# Altium PCB VOU_SOM_CV_V0.0.1.PcbDoc (part 4 of 5)
Units mm, origin at the board's own origin, x right, y up, seen from the top; angles counter-clockwise.
Board outline 75 x 105 mm, 9 copper layers (Top Layer, PWR1, INT1, INT2, INT3, INT4, INT5, PWR2, Bottom Layer), stack 1.317 mm thick; 497 components, 649 nets, 3023 pads, 1317 vias.
Unrouted connection lines stored in the file: 2057.
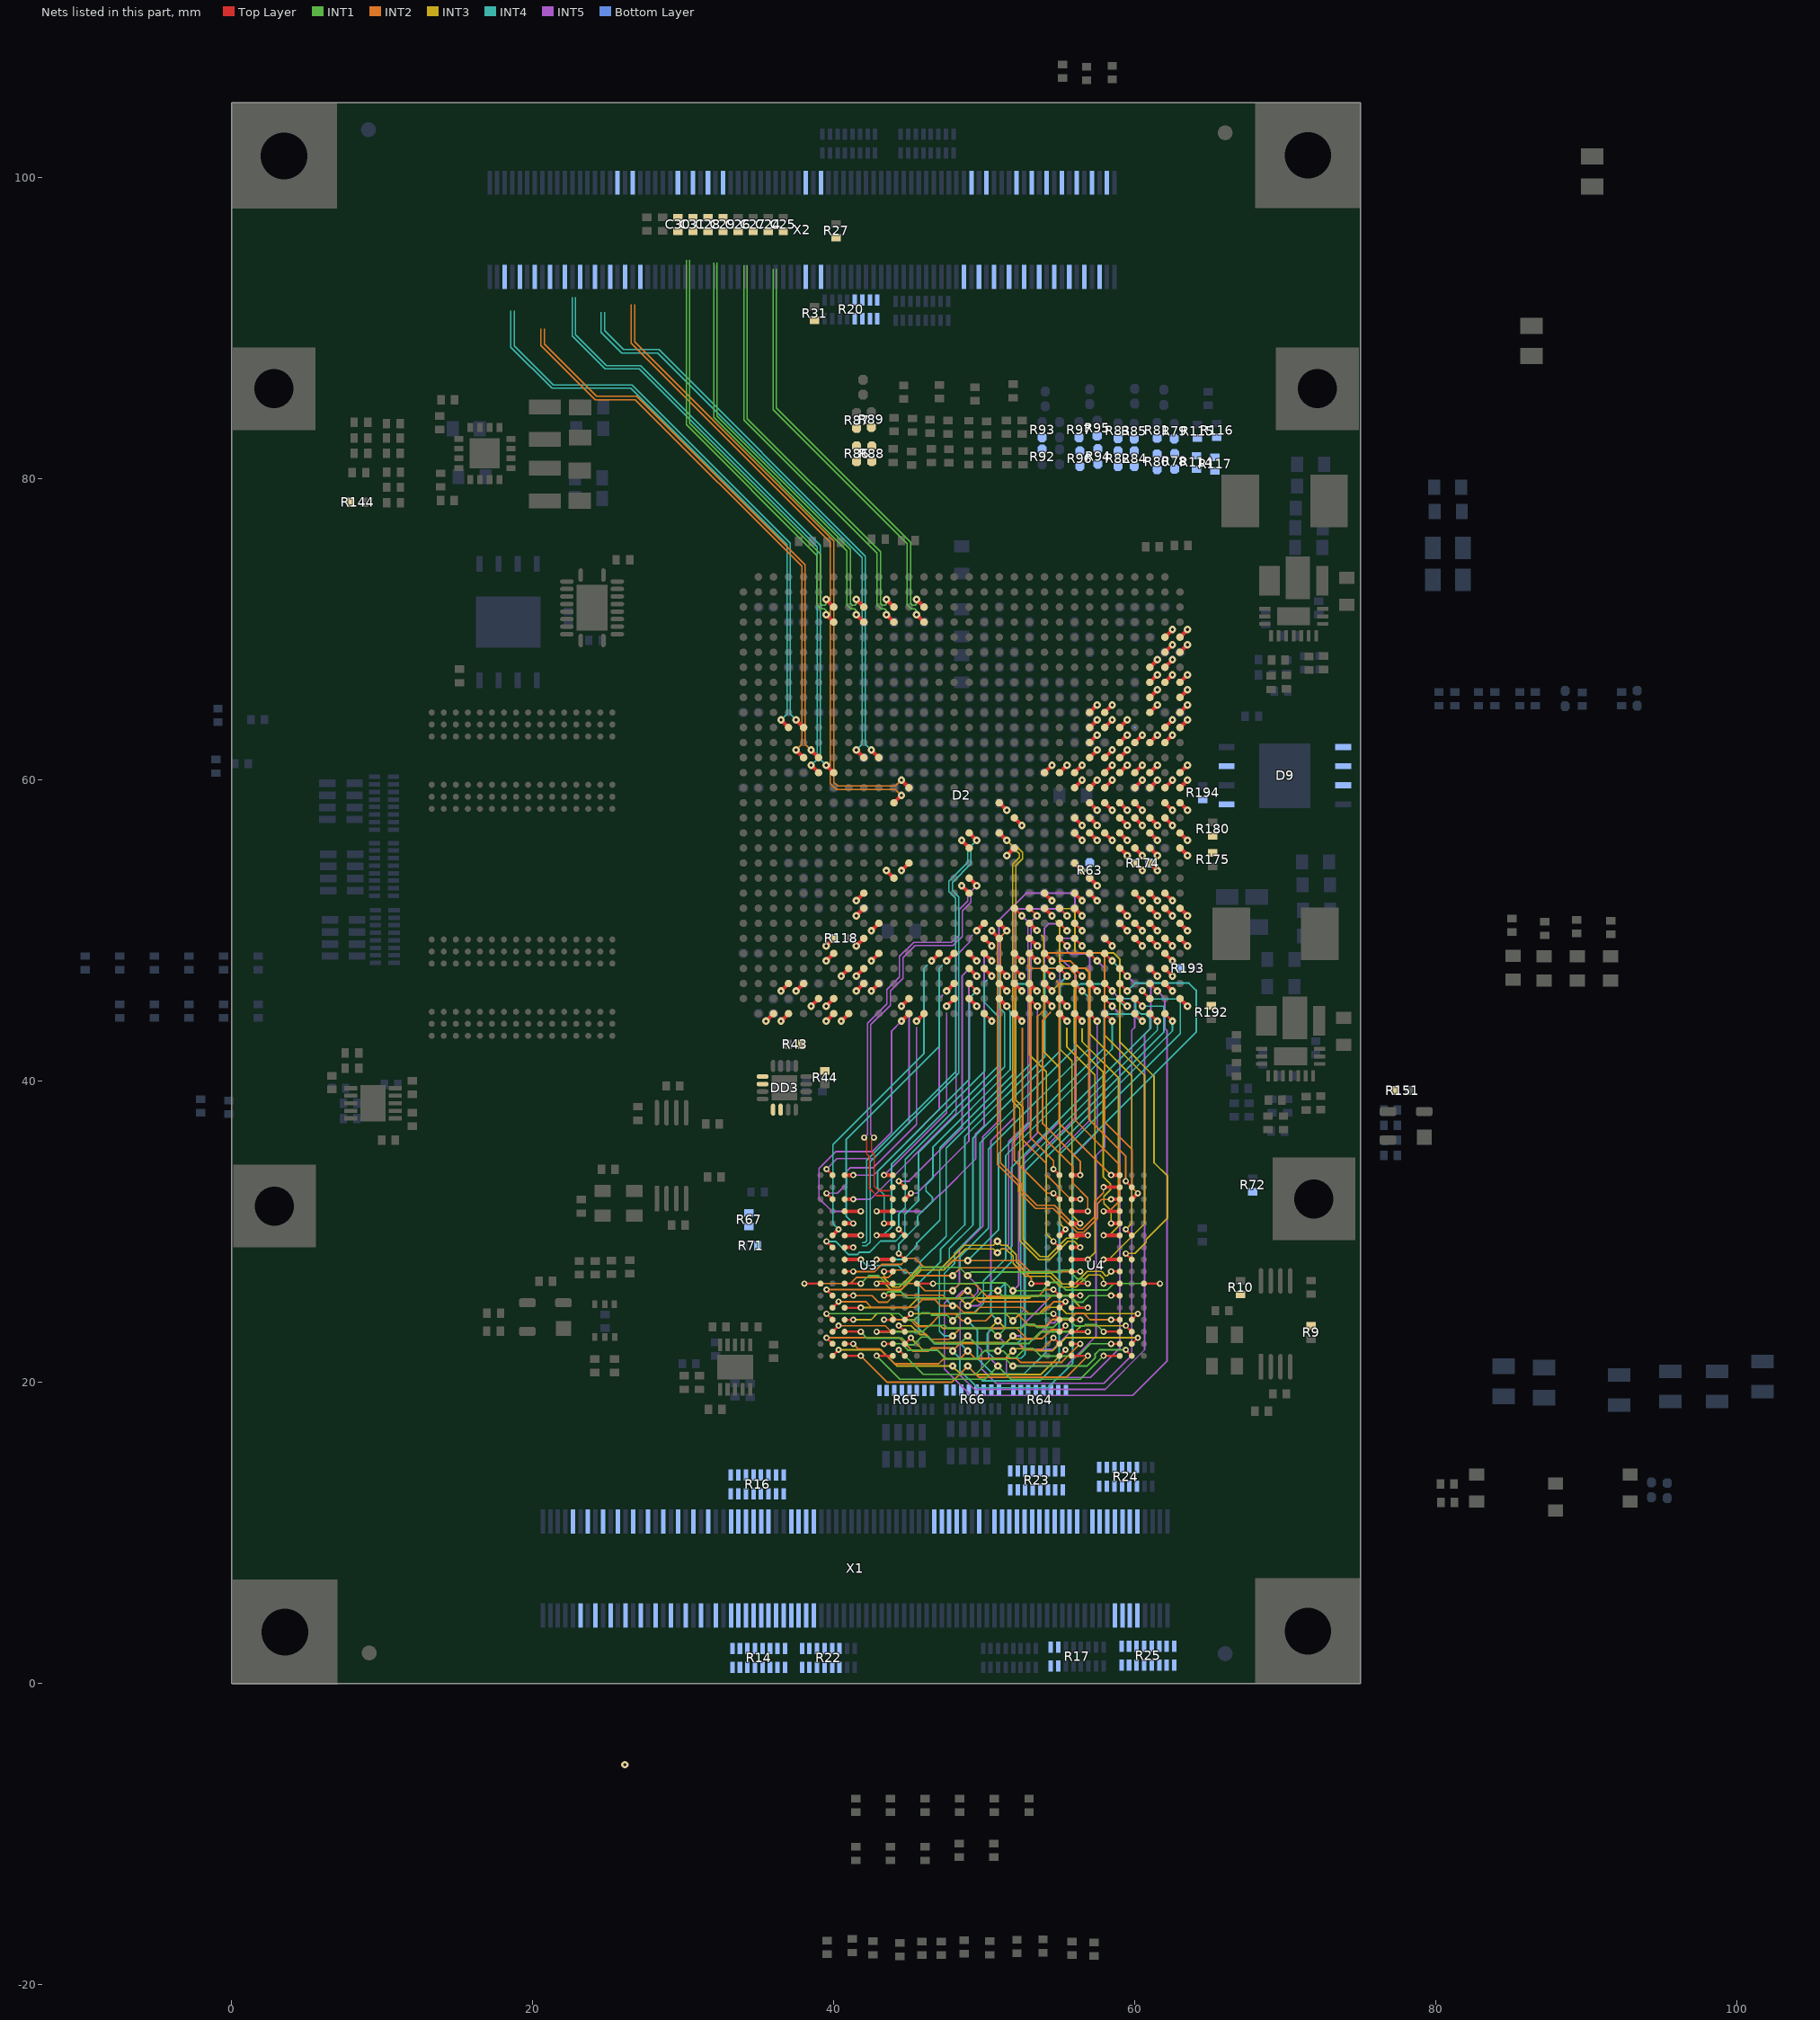
[diagram p9: the nets of this part, all layers, seen from the top]

## Via types
v1: diameter 0.5, hole 0.2, Top Layer to Bottom Layer, 953 vias
v2: diameter 0.42, hole 0.2, Top Layer to Bottom Layer, 364 vias

## Nets (pads, with @x,y where several pads share a name; then routed paths per layer and width w, separated by ;. In a path a pad name is that pad's centre, name@x,y a point inside that pad or via, vN(x,y) a via of type N, cw(c..) or ccw(c..) an arc to the next point about the centre after c; other vN are vias at no path point) (continued)
GXB_TXA2_N: C29.2 X2.105
GXB_TXA2_P: C28.2 X2.109
GXB_TXA3_N: C31.2 X2.113
GXB_TXA3_P: C30.2 X2.117
GXB_TXA_C0_N: C25.1 D2.V3 | length 27.4
  Top Layer w0.25: v1(45.5,72) D2.V3@46,71.5
  INT1 w0.08: 36.2,93.95 36.2,84.711 45.1,75.811 45.1,71.735 45.225,71.61 45.41,71.61 45.5,71.7 v1(45.5,72)
GXB_TXA_C0_P: C24.1 D2.V4 | length 27.7
  Top Layer w0.25: v1(45.5,71) D2.V4@46,70.5
  INT1 w0.08: 35.98,93.95 35.98,84.62 44.88,75.72 44.88,71.644 45.134,71.39 45.385,71.39 45.5,71.275 v1(45.5,71)
GXB_TXA_C1_N: C27.1 D2.Y3 | length 27.6
  Top Layer w0.25: v1(43.5,72) D2.Y3@44,71.5
  INT1 w0.08: 34.25,94.175 34.25,84.011 43.1,75.161 43.1,71.735 43.225,71.61 43.41,71.61 43.5,71.7 v1(43.5,72)
GXB_TXA_C1_P: C26.1 D2.Y4 | length 28
  Top Layer w0.25: v1(43.5,71) D2.Y4@44,70.5
  INT1 w0.08: 34.03,94.175 34.03,83.92 42.88,75.07 42.88,71.644 43.134,71.39 43.385,71.39 43.5,71.275 v1(43.5,71)
GXB_TXA_C2_N: C29.1 D2.AB3 | length 27.8
  Top Layer w0.25: v1(41.5,72) D2.AB3@42,71.5
  INT1 w0.08: 32.25,94.375 32.25,84.186 41.1,75.336 41.1,71.735 41.225,71.61 41.41,71.61 41.5,71.7 v1(41.5,72)
GXB_TXA_C2_P: C28.1 D2.AB4 | length 28.2
  Top Layer w0.25: v1(41.5,71) D2.AB4@42,70.5
  INT1 w0.08: 32.03,94.375 32.03,84.095 40.88,75.245 40.88,71.644 41.134,71.39 41.385,71.39 41.5,71.275 v1(41.5,71)
GXB_TXA_C3_N: C31.1 D2.AD3 | length 27.9
  Top Layer w0.25: v1(39.5,72) D2.AD3@40,71.5
  INT1 w0.08: 30.425,94.55 30.425,83.711 39.1,75.036 39.1,71.735 39.225,71.61 39.41,71.61 39.5,71.7 v1(39.5,72)
GXB_TXA_C3_P: C30.1 D2.AD4 | length 28.3
  Top Layer w0.25: v1(39.5,71) D2.AD4@40,70.5
  INT1 w0.08: 30.205,94.55 30.205,83.62 38.88,74.945 38.88,71.644 39.134,71.39 39.385,71.39 39.5,71.275 v1(39.5,71)
HPS_BSL0: D2.H20 R16.11 R63.2 | length 0.7
  Top Layer w0.25: D2.H20@56,54.5 v1(56.5,54)
HPS_BSL1: D2.A18 D9.1 R175.2 R180.1 | length 0.7
  Top Layer w0.25: D2.A18@63,56.5 v1(63.5,56)
HPS_BSL2: D2.D20 R174.2 | length 0.7
  Top Layer w0.25: D2.D20@60,54.5 v1(60.5,54)
HPS_CAN0_RX: D2.B22 R22.11 | length 0.7
  Top Layer w0.25: D2.B22@62,52.5 v1(62.5,52)
HPS_CAN0_RX_R: R22.6 X1.71
HPS_CAN0_TX: D2.G22 R22.12 | length 0.7
  Top Layer w0.25: D2.G22@57,52.5 v1(57.5,52)
HPS_CAN0_TX_R: R22.5 X1.73
HPS_CAN1_RX: D2.A24 R22.13 | length 0.7
  Top Layer w0.25: D2.A24@63,50.5 v1(63.5,50)
HPS_CAN1_RX_R: R22.4 X1.72
HPS_CAN1_TX: D2.G21 R22.14 | length 0.7
  Top Layer w0.25: D2.G21@57,53.5 v1(57.5,53)
HPS_CAN1_TX_R: R22.3 X1.74
HPS_CLK_25_1: D2.D25 R9.2 | length 0.7
  Top Layer w0.25: D2.D25@60,49.5 v1(60.5,49)
HPS_CLK_25_2: D2.F25 R10.2 | length 0.7
  Top Layer w0.25: D2.F25@58,49.5 v1(58.5,49)
HPS_DDR_A0: D2.F26 R64.8 U3.N3 U4.N3 | length 48.2
  Top Layer w0.15: U3.N3@40.725,24.175 v2(41.3,24.175) ; U4.N3@55.8,24.175 v2(56.375,24.175) ; D2.F26@58,48.5 v1(58.5,48)
  INT3 w0.11: v2(41.3,24.175) 42.475,24.175 42.875,24.575 43.775,24.575 44.175,24.175 45.275,24.175 45.675,23.775 47.075,23.775 47.25,23.6 50.4,23.6 v1(50.9,24.1) 51.35,23.65 52.525,23.65 52.725,23.85 53.325,23.85 53.45,23.725 54.075,23.725 54.525,24.175 v2(56.375,24.175)
  INT4 w0.11: v1(50.9,24.1) 50.45,24.55 50.45,26.65 51.8,28 51.8,34.275 61,43.475 61,44.175 60.7,44.475 60.4,44.475 60.05,44.825 60.05,45.225 59.775,45.5 59.3,45.5 59,45.8 59,47.5 v1(58.5,48)
HPS_DDR_A1: D2.G30 R64.7 U3.P7 U4.P7 | length 46.5
  Top Layer w0.15: v2(42.85,23.375) U3.P7@43.925,23.375 ; D2.G30@57,44.5 v1(57.5,44) ; v2(57.925,23.375) U4.P7@59,23.375
  INT1 w0.11: v2(42.85,23.375) 45.925,23.375 46.35,23.8 47.375,23.8 47.575,23.6 50.4,23.6 v1(50.9,23.1) 51.425,23.625 52.475,23.625 52.7,23.85 53.325,23.85 53.5,23.675 54.6,23.675 55.2,24.275 55.55,24.275 56.075,23.75 56.625,23.75 56.725,23.85 57.45,23.85 v2(57.925,23.375)
  INT5 w0.11: v1(50.9,23.1) 51.375,22.625 52.225,22.625 52.65,22.2 54.55,22.2 55.85,23.5 55.85,35 57.5,36.65 v1(57.5,44)
HPS_DDR_A2: D2.F28 R64.6 U3.P3 U4.P3 | length 58.5
  Top Layer w0.15: U3.P3@40.725,23.375 v2(41.8,23.375) ; U4.P3@55.8,23.375 v2(56.875,23.375) ; D2.F28@58,46.5 v1(58.5,46)
  INT1 w0.11: v2(41.8,23.375) 42.225,22.95 44.55,22.95 45,22.5 45.3,22.5 45.825,23.025 46.3,23.025 46.725,22.6 48.4,22.6 v1(48.9,23.1) 49.4,22.6 52.975,22.6 53.75,23.375 v2(56.875,23.375)
  INT5 w0.11: v1(48.9,23.1) 49.825,22.175 49.825,20.9 50.775,19.95 57.95,19.95 59.8,21.8 59.8,43.4 60,43.6 60,45.225 59.725,45.5 59,45.5 v1(58.5,46)
HPS_DDR_A3: D2.F30 R64.5 U3.N2 U4.N2 | length 42.5
  Top Layer w0.15: v2(39.525,24.575) U3.N2@39.925,24.175 ; v2(54.6,24.575) U4.N2@55,24.175 ; D2.F30@58,44.5 v1(58.5,44)
  INT1 w0.11: v2(39.525,24.575) 44.35,24.575 44.775,24.15 45.35,24.15 45.825,24.625 46.35,24.625 46.5,24.475 47.525,24.475 v1(47.9,24.1) 48.375,24.575 v2(54.6,24.575)
  INT4 w0.11: v1(47.9,24.1) 48.4,24.6 49.3,24.6 49.95,25.25 49.95,26.75 51.425,28.225 51.425,35.075 58.5,42.15 v1(58.5,44)
HPS_DDR_A4: D2.J25 R64.4 U3.P8 U4.P8 | length 48.5
  Top Layer w0.15: v2(44.325,23.775) U3.P8@44.725,23.375 ; D2.J25@55,49.5 v1(55.5,49) ; v2(59.4,23.775) U4.P8@59.8,23.375
  INT3 w0.11: v2(44.325,23.775) 45.15,23.775 45.725,23.2 46.125,23.2 46.675,22.65 51.45,22.65 v1(51.9,23.1) 52.1,22.9 53.35,22.9 53.85,23.4 56.075,23.4 56.45,23.775 v2(59.4,23.775)
  INT5 w0.11: v1(51.9,23.1) 52.425,23.1 52.65,22.875 53.3,22.875 54.4,23.975 54.675,23.975 55,24.3 55,35.4 57,37.4 57,48.2 56.725,48.475 55.7,48.475 55.5,48.675 v1(55.5,49)
HPS_DDR_A5: D2.J27 R64.3 U3.P2 U4.P2 | length 46.3
  Top Layer w0.15: U3.P2@39.925,23.375 v2(40.325,23.775) ; U4.P2@55,23.375 v2(55.4,23.775) ; D2.J27@55,47.5 v1(55.5,47)
  INT2 w0.11: v2(40.325,23.775) 43.425,23.775 43.8,23.4 45.925,23.4 46.45,22.875 47.675,22.875 v1(47.9,23.1) 48.4,23.6 52.15,23.6 52.825,22.925 53.85,22.925 54.45,23.525 55.15,23.525 v2(55.4,23.775)
  INT4 w0.11: v1(47.9,23.1) 47.35,23.1 47.025,23.425 47.025,27.45 47.675,28.1 47.675,28.9 49.25,30.475 49.25,36.25 55.05,42.05 55.05,46.55 v1(55.5,47)
HPS_DDR_A6: D2.F29 R64.2 U3.R8 U4.R8 | length 51.3
  Top Layer w0.15: U3.R8@44.725,22.575 v2(45.125,22.975) ; D2.F29@58,45.5 v1(58.5,45) ; U4.R8@59.8,22.575 v2(60.2,22.975)
  INT3 w0.11: v2(45.125,22.975) 45.925,22.175 46.9,22.175 47.5,21.575 51.375,21.575 v1(51.9,22.1) 52.05,22.25 53.225,22.25 53.375,22.1 54.525,22.1 55.4,22.975 v2(60.2,22.975)
  INT5 w0.11: v1(51.9,22.1) 51.475,21.675 51.475,20.525 51.663,20.338 57.062,20.338 59,22.275 59,44.5 v1(58.5,45)
HPS_DDR_A7: D2.E28 R64.1 U3.R2 U4.R2 | length 61.5
  Top Layer w0.15: v2(39.525,22.975) U3.R2@39.925,22.575 ; v2(54.6,22.975) U4.R2@55,22.575 ; D2.E28@59,46.5 v1(59.5,46)
  INT2 w0.11: v2(39.525,22.975) 44.35,22.975 45.25,22.075 46.275,22.075 46.5,22.3 47.7,22.3 v1(47.9,22.1) 48.375,22.575 52.375,22.575 52.775,22.175 53.8,22.175 v2(54.6,22.975)
  INT4 w0.11: v1(47.9,22.1) 48.375,21.625 48.375,20.825 49.55,19.65 54.225,19.65 55.875,21.3 55.875,35.2 56,35.2 64.075,43.275 64.075,46.05 63.6,46.525 60.025,46.525 v1(59.5,46)
HPS_DDR_A8: D2.G26 R65.7 U3.T8 U4.T8 | length 50.5
  Top Layer w0.15: v2(44.325,22.175) U3.T8@44.725,21.775 ; D2.G26@57,48.5 v1(57.5,48) ; v2(59.4,22.175) U4.T8@59.8,21.775
  INT1 w0.11: v2(44.325,22.175) 45.95,20.55 49.425,20.55 50.425,21.55 51.45,21.55 v1(51.9,21.1) 56.825,21.1 57.375,21.65 57.375,21.9 57.65,22.175 v2(59.4,22.175)
  INT5 w0.11: v1(51.9,21.1) 55.45,21.1 57.425,23.075 57.425,35.075 58,35.65 58,47.5 v1(57.5,48)
HPS_DDR_A9: D2.H27 R65.8 U3.R3 U4.R3 | length 52.5
  Top Layer w0.15: U3.R3@40.725,22.575 v2(41.3,22.575) ; U4.R3@55.8,22.575 v2(56.375,22.575) ; D2.H27@56,47.5 v1(56.5,47)
  INT2 w0.11: v2(41.3,22.575) 41.625,22.25 43.025,22.25 44.025,21.25 46.975,21.25 47.3,21.575 48.375,21.575 v1(48.9,22.1) 49.4,21.6 52.15,21.6 52.4,21.35 55.15,21.35 v2(56.375,22.575)
  INT4 w0.11: v1(48.9,22.1) 48.4,22.6 46.65,22.6 45.625,23.625 45.625,26.575 47.1,28.05 47.1,28.875 48.7,30.475 48.7,36.325 54.025,41.65 54.025,47.275 54.275,47.525 55.975,47.525 v1(56.5,47)
HPS_DDR_A10: D2.D29 R65.6 U3.L7 U4.L7 | length 55.2
  Top Layer w0.15: v2(43.35,25.775) U3.L7@43.925,25.775 ; v2(58.425,25.775) U4.L7@59,25.775 ; D2.D29@60,45.5 v1(60.5,45)
  INT1 w0.11: v2(43.35,25.775) 43.6,26.025 44.475,26.025 44.875,25.625 49.425,25.625 49.9,26.1 v1(50.9,26.1) 50.9,26.075 51.225,25.75 55.725,25.75 56.125,25.35 56.55,25.35 56.975,25.775 v2(58.425,25.775)
  INT4 w0.11: v1(50.9,26.1) 51.4,26.6 51.4,23.775 51.2,23.575 50.525,23.575 50.2,23.25 50.2,22.05 50.625,21.625 52.45,21.625 52.7,21.875 52.7,34.05 61.925,43.275 61.925,45 v1(60.5,45)
HPS_DDR_A11: D2.C30 R65.5 U3.R7 U4.R7 | length 45.3
  Top Layer w0.15: v2(43.35,22.575) U3.R7@43.925,22.575 ; v2(58.425,22.575) U4.R7@59,22.575 ; D2.C30@61,44.5 v1(61.5,44)
  INT1 w0.11: v2(43.35,22.575) 44.5,22.575 44.925,22.15 46.875,22.15 47.45,21.575 49.5,21.575 50.05,22.125 50.9,22.125 v1(50.9,22.1) 51.25,22.1 51.7,21.65 52.1,21.65 52.7,22.25 53.275,22.25 53.775,21.75 56.225,21.75 57.05,22.575 v2(58.425,22.575)
  INT4 w0.11: v1(50.9,22.1) 51.4,22.6 52.2,22.6 52.425,22.825 52.425,34.325 61.5,43.4 v1(61.5,44)
HPS_DDR_A12: D2.B30 R65.4 U3.N7 U4.N7 | length 52.5
  Top Layer w0.15: v2(43.35,24.175) U3.N7@43.925,24.175 ; v2(58.425,24.175) U4.N7@59,24.175 ; D2.B30@62,44.5 v1(62.5,44)
  INT2 w0.11: v2(43.35,24.175) 45.075,24.175 45.525,23.725 46.3,23.725 47.125,24.55 48.1,24.55 48.55,24.1 v1(48.9,24.1) 50.1,24.1 50.575,24.575 52.2,24.575 53,23.775 54.1,23.775 54.525,24.2 55.7,24.2 56.1,24.6 56.6,24.6 57.025,24.175 v2(58.425,24.175)
  INT4 w0.11: v1(48.9,24.1) 49.55,23.45 49.55,21.6 50.575,20.575 52.65,20.575 54.1,22.025 54.1,34.95 62.5,43.35 v1(62.5,44)
HPS_DDR_A13: D2.C29 R65.3 U3.T3 U4.T3 | length 57.1
  Top Layer w0.15: U3.T3@40.725,21.775 v2(41.8,21.775) ; U4.T3@55.8,21.775 v2(56.875,21.775) ; v1(60.5,46.025) 60.5,46 D2.C29@61,45.5
  INT2 w0.11: v2(41.8,21.775) 43.55,20.025 47.825,20.025 v1(48.9,21.1) 49.65,20.35 55.45,20.35 v2(56.875,21.775)
  INT4 w0.11: v1(48.9,21.1) 49.875,20.125 53.7,20.125 54.975,21.4 54.975,35.125 63.025,43.175 63.025,45.225 62.775,45.475 61.05,45.475 v1(60.5,46.025)
  other v1: 26.125,-5.375
HPS_DDR_A14: D2.H25 R65.2 U3.T7 U4.T7 | length 54.1
  Top Layer w0.15: v2(42.85,21.775) U3.T7@43.925,21.775 ; D2.H25@56,49.5 v1(56.5,49) ; v2(57.925,21.775) U4.T7@59,21.775
  INT1 w0.11: v2(42.85,21.775) 44.4,20.225 50.025,20.225 v1(50.9,21.1) 51.775,20.225 56.375,20.225 v2(57.925,21.775)
  INT5 w0.11: v1(50.9,21.1) 50.275,21.725 50.275,23.4 50.5,23.625 52.375,23.625 54.1,25.35 54.1,35.65 56.025,37.575 56.025,47.225 55.025,48.225 55.025,49.35 55.175,49.5 56,49.5 v1(56.5,49)
HPS_DDR_BA0: D2.E29 R65.1 U3.M2 U4.M2 | length 47.7
  Top Layer w0.15: U3.M2@39.925,24.975 v2(40.325,25.375) ; U4.M2@55,24.975 v2(55.4,25.375) ; D2.E29@59,45.5 v1(59.5,45)
  INT2 w0.11: v2(40.325,25.375) 42.125,25.375 42.5,25 45.4,25 45.925,25.525 46.7,25.525 47.125,25.1 v1(47.9,25.1) 48.2,25.1 48.65,24.65 49.375,24.65 49.725,25 52.525,25 52.95,24.575 53.825,24.575 54.625,25.375 v2(55.4,25.375)
  INT4 w0.11: v1(47.9,25.1) 47.35,25.65 47.35,27.25 48.025,27.925 48.025,28.6 49.725,30.3 49.725,35.925 56,42.2 56,46.1 56.375,46.475 57.85,46.475 58,46.325 58,45.725 58.25,45.475 58.85,45.475 59.325,45 v1(59.5,45)
HPS_DDR_BA1: D2.J24 R66.8 U3.N8 U4.N8 | length 47.6
  Top Layer w0.15: U3.N8@44.725,24.175 v2(45.125,24.575) ; D2.J24@55,50.5 v1(55.5,50) ; U4.N8@59.8,24.175 v2(60.2,24.575)
  INT3 w0.11: v2(45.125,24.575) 51.425,24.575 v1(51.9,24.1) 52.35,24.55 53.625,24.55 54.075,25 55.05,25 55.475,24.575 v2(60.2,24.575)
  INT5 w0.11: v1(51.9,24.1) 52.65,24.85 52.65,34.975 55.025,37.35 55.025,47.225 54.75,47.5 54.275,47.5 54,47.775 54,50.175 54.3,50.475 55.025,50.475 v1(55.5,50)
HPS_DDR_BA2: D2.J23 R66.7 U3.M3 U4.M3 | length 50.6
  Top Layer w0.15: U3.M3@40.725,24.975 v2(41.8,24.975) ; D2.J23@55,51.5 v1(55.5,51) ; U4.M3@55.8,24.975 v2(56.875,24.975)
  INT3 w0.11: v2(41.8,24.975) 44.95,24.975 45.55,25.575 48.425,25.575 v1(48.9,25.1) 49.4,25.6 53,25.6 53.175,25.775 55.625,25.775 56.425,24.975 v2(56.875,24.975)
  INT5 w0.11: v1(48.9,25.1) 49.6,25.1 50.45,25.95 50.45,36.075 51.975,37.6 51.975,51.15 52.275,51.45 55.05,51.45 v1(55.5,51)
HPS_DDR_CAS#: D2.E27 R66.4 U3.K3 U4.K3 | length 67.1
  Top Layer w0.15: U3.K3@40.725,26.575 v2(41.8,26.575) ; U4.K3@55.8,26.575 v2(56.875,26.575) ; D2.E27@59,47.5 v1(59.5,47)
  INT1 w0.11: v2(41.8,26.575) 42.325,27.1 42.975,27.1 43.55,26.525 44.725,26.525 45.85,27.65 48.35,27.65 v1(48.9,27.1) 49.15,27.35 55.05,27.35 55.175,27.475 55.575,27.475 56.15,26.9 56.55,26.9 v2(56.875,26.575)
  INT5 w0.11: v1(48.9,27.1) 49.575,26.425 49.575,26.025 49.2,25.65 48.725,25.65 48.4,25.325 48.4,20.5 49.35,19.55 58.025,19.55 60.65,22.175 60.65,43.125 61.075,43.55 61.075,46.275 60.85,46.5 60,46.5 v1(59.5,47)
HPS_DDR_CK_H_N: D2.L23 R67.1 U3.K7 U4.K7 | length 45.5
  Top Layer w0.15: v2(42.85,26.575) U3.K7@43.925,26.575 ; D2.L23@53,51.5 v1(53.5,51) ; v2(57.925,26.575) U4.K7@59,26.575
  INT3 w0.08: v2(42.85,26.575) 43,26.725 43.225,26.725 43.827,26.123 44.459,26.123 45.811,27.475 47.336,27.475 48.751,28.89 50.61,28.89 v1(50.875,28.625) 51.14,28.89 51.4,28.89 51.905,28.385 51.905,27.909 52.764,27.05 54.364,27.05 55.084,26.33 56.105,26.33 56.925,27.15 57.675,27.15 57.925,26.9 v2(57.925,26.575)
  INT5 w0.08: v1(50.875,28.625) 51.14,28.89 51.641,28.89 51.85,29.099 51.85,35.925 53.11,37.185 53.11,45.824 53.1,45.834 53.1,46.166 53.11,46.176 53.11,49.854 53.103,49.862 53.103,50.193 53.11,50.201 53.11,50.61 v1(53.5,51)
HPS_DDR_CK_H_P: D2.M23 R67.2 U3.J7 U4.J7 | length 44.3
  Top Layer w0.15: v2(43.35,27.375) U3.J7@43.925,27.375 ; D2.M23@52,51.5 v1(52.5,51) ; v2(58.425,27.375) U4.J7@59,27.375
  INT3 w0.08: v2(43.35,27.375) 43.35,26.925 43.932,26.343 44.368,26.343 45.72,27.695 47.245,27.695 48.66,29.11 50.61,29.11 v1(50.875,29.375) 51.14,29.11 51.491,29.11 52.125,28.476 52.125,28 52.855,27.27 54.455,27.27 55.175,26.55 56.014,26.55 56.839,27.375 57.8,27.375 58.075,27.1 58.15,27.1 v2(58.425,27.375)
  INT5 w0.08: v1(50.875,29.375) 51.14,29.11 51.55,29.11 51.63,29.19 51.63,36.016 52.89,37.276 52.89,43.824 52.9,43.834 52.9,44.166 52.89,44.176 52.89,44.824 52.9,44.834 52.9,45.166 52.89,45.176 52.89,45.824 52.9,45.834 52.9,46.166 52.89,46.176 52.89,46.824 52.9,46.834 52.9,47.166 52.89,47.176 52.89,47.824 52.9,47.834 52.9,48.166 52.89,48.176 52.89,49.824 52.9,49.834 52.9,50.166 52.89,50.176 52.89,50.61 v1(52.5,51)
HPS_DDR_CKE: D2.L29 R66.6 R72.2 U3.K9 U4.K9 | length 38.4
  Top Layer w0.15: U3.K9@45.525,26.575 v2(46.6,26.575) ; D2.L29@53,45.5 53.498,45.002 v1(53.528,45.002) ; U4.K9@60.6,26.575 v2(61.675,26.575)
  INT1 w0.11: v2(46.6,26.575) 49.325,26.575 49.375,26.625 51.4,26.625 51.9,26.125 v1(51.9,26.1) 53.85,26.1 54.4,26.65 54.9,26.65 55.4,26.15 58.175,26.15 58.6,26.575 v2(61.675,26.575)
  INT5 w0.11: v1(51.9,26.1) 52.3,26.5 52.3,35.35 53.528,36.578 v1(53.528,45.002)
HPS_DDR_CS#: D2.H24 R66.2 U3.L2 U4.L2 | length 52.2
  Top Layer w0.15: v2(39.525,26.175) U3.L2@39.925,25.775 ; v2(54.6,26.175) U4.L2@55,25.775 ; D2.H24@56,50.5 v1(56.5,50)
  INT2 w0.11: v2(39.525,26.175) 44.45,26.175 44.85,26.575 45.6,26.575 46.075,26.1 v1(47.9,26.1) 48.35,26.55 49.375,26.55 50.2,25.725 53.575,25.725 54.025,26.175 v2(54.6,26.175)
  INT5 w0.11: v1(47.9,26.1) 48.35,26.55 48.35,28.825 49.9,30.375 49.9,36.3 50.975,37.375 50.975,50.7 52.775,52.5 55.75,52.5 56.025,52.225 56.025,50.475 v1(56.5,50)
HPS_DDR_D0: D2.J29 U4.E3 | length 16
  Top Layer w0.25: D2.J29@55,45.5 v1(55.5,45) ; U4.E3@55.8,30.575 v2(56.375,30.575)
  INT3 w0.11: 55.175,44.7 55,44.525 55,42.175 55.825,41.35 55.825,31.125 v2(56.375,30.575)
HPS_DDR_D1: D2.H30 U4.F7 | length 17.1
  Top Layer w0.25: D2.H30@56,44.5 v1(56.5,44) ; v2(57.925,29.775) U4.F7@59,29.775
  INT3 w0.11: 56.5,43.5 56.5,42.65 58.925,40.225 58.925,30.4 58.3,29.775 v2(57.925,29.775)
HPS_DDR_D2: D2.L24 U4.F2 | length 21.5
  Top Layer w0.25: D2.L24@53,50.5 53.482,50.018 53.493,50.018 v1(53.503,50.027) ; U4.F2@55,29.775 v2(55.4,30.175)
  INT3 w0.11: 53.8,49.7 53.95,49.55 53.95,41.975 55.025,40.9 55.025,30.55 v2(55.4,30.175)
HPS_DDR_D3: D2.K23 U4.F8 | length 24.8
  Top Layer w0.15: v2(59.4,30.175) U4.F8@59.8,29.775
  Top Layer w0.25: D2.K23@54,51.5 v1(54.5,51)
  INT3 w0.11: 54.775,50.65 55,50.425 55,47.9 55.375,47.525 56.675,47.525 57.025,47.175 57.025,43.15 59.8,40.375 59.8,30.575 v2(59.4,30.175)
HPS_DDR_D4: D2.J30 U4.H3 | length 18.1
  Top Layer w0.25: D2.J30@55,44.5 v1(55.5,44) ; U4.H3@55.8,28.175 v2(56.875,28.175)
  INT3 w0.11: 55.475,43.525 55.475,42.3 57.35,40.425 57.35,28.65 v2(56.875,28.175)
HPS_DDR_D5: D2.K22 U4.H8 | length 30.7
  Top Layer w0.15: v2(59.4,28.575) U4.H8@59.8,28.175
  Top Layer w0.25: D2.K22@54,52.5 v1(54.5,52)
  INT3 w0.11: 54.85,51.65 55.025,51.475 55.725,51.475 56.025,51.175 56.025,48.65 56.15,48.525 58.6,48.525 59,48.125 59,42.625 61.275,40.35 61.275,34.6 62.175,33.7 62.175,30.925 60.75,29.5 60.75,29.325 60,28.575 v2(59.4,28.575)
HPS_DDR_D6: D2.L25 U4.G2 | length 21.4
  Top Layer w0.15: v2(54.6,29.375) U4.G2@55,28.975
  Top Layer w0.25: D2.L25@53,49.5 53.498,49.002 v1(53.528,49.002)
  INT3 w0.11: 53.188,48.713 53,48.525 53,41.775 54.125,40.65 54.125,29.85 v2(54.6,29.375)